# Altium PCB MiniPC.PcbDoc (part 10 of 23) (continued)
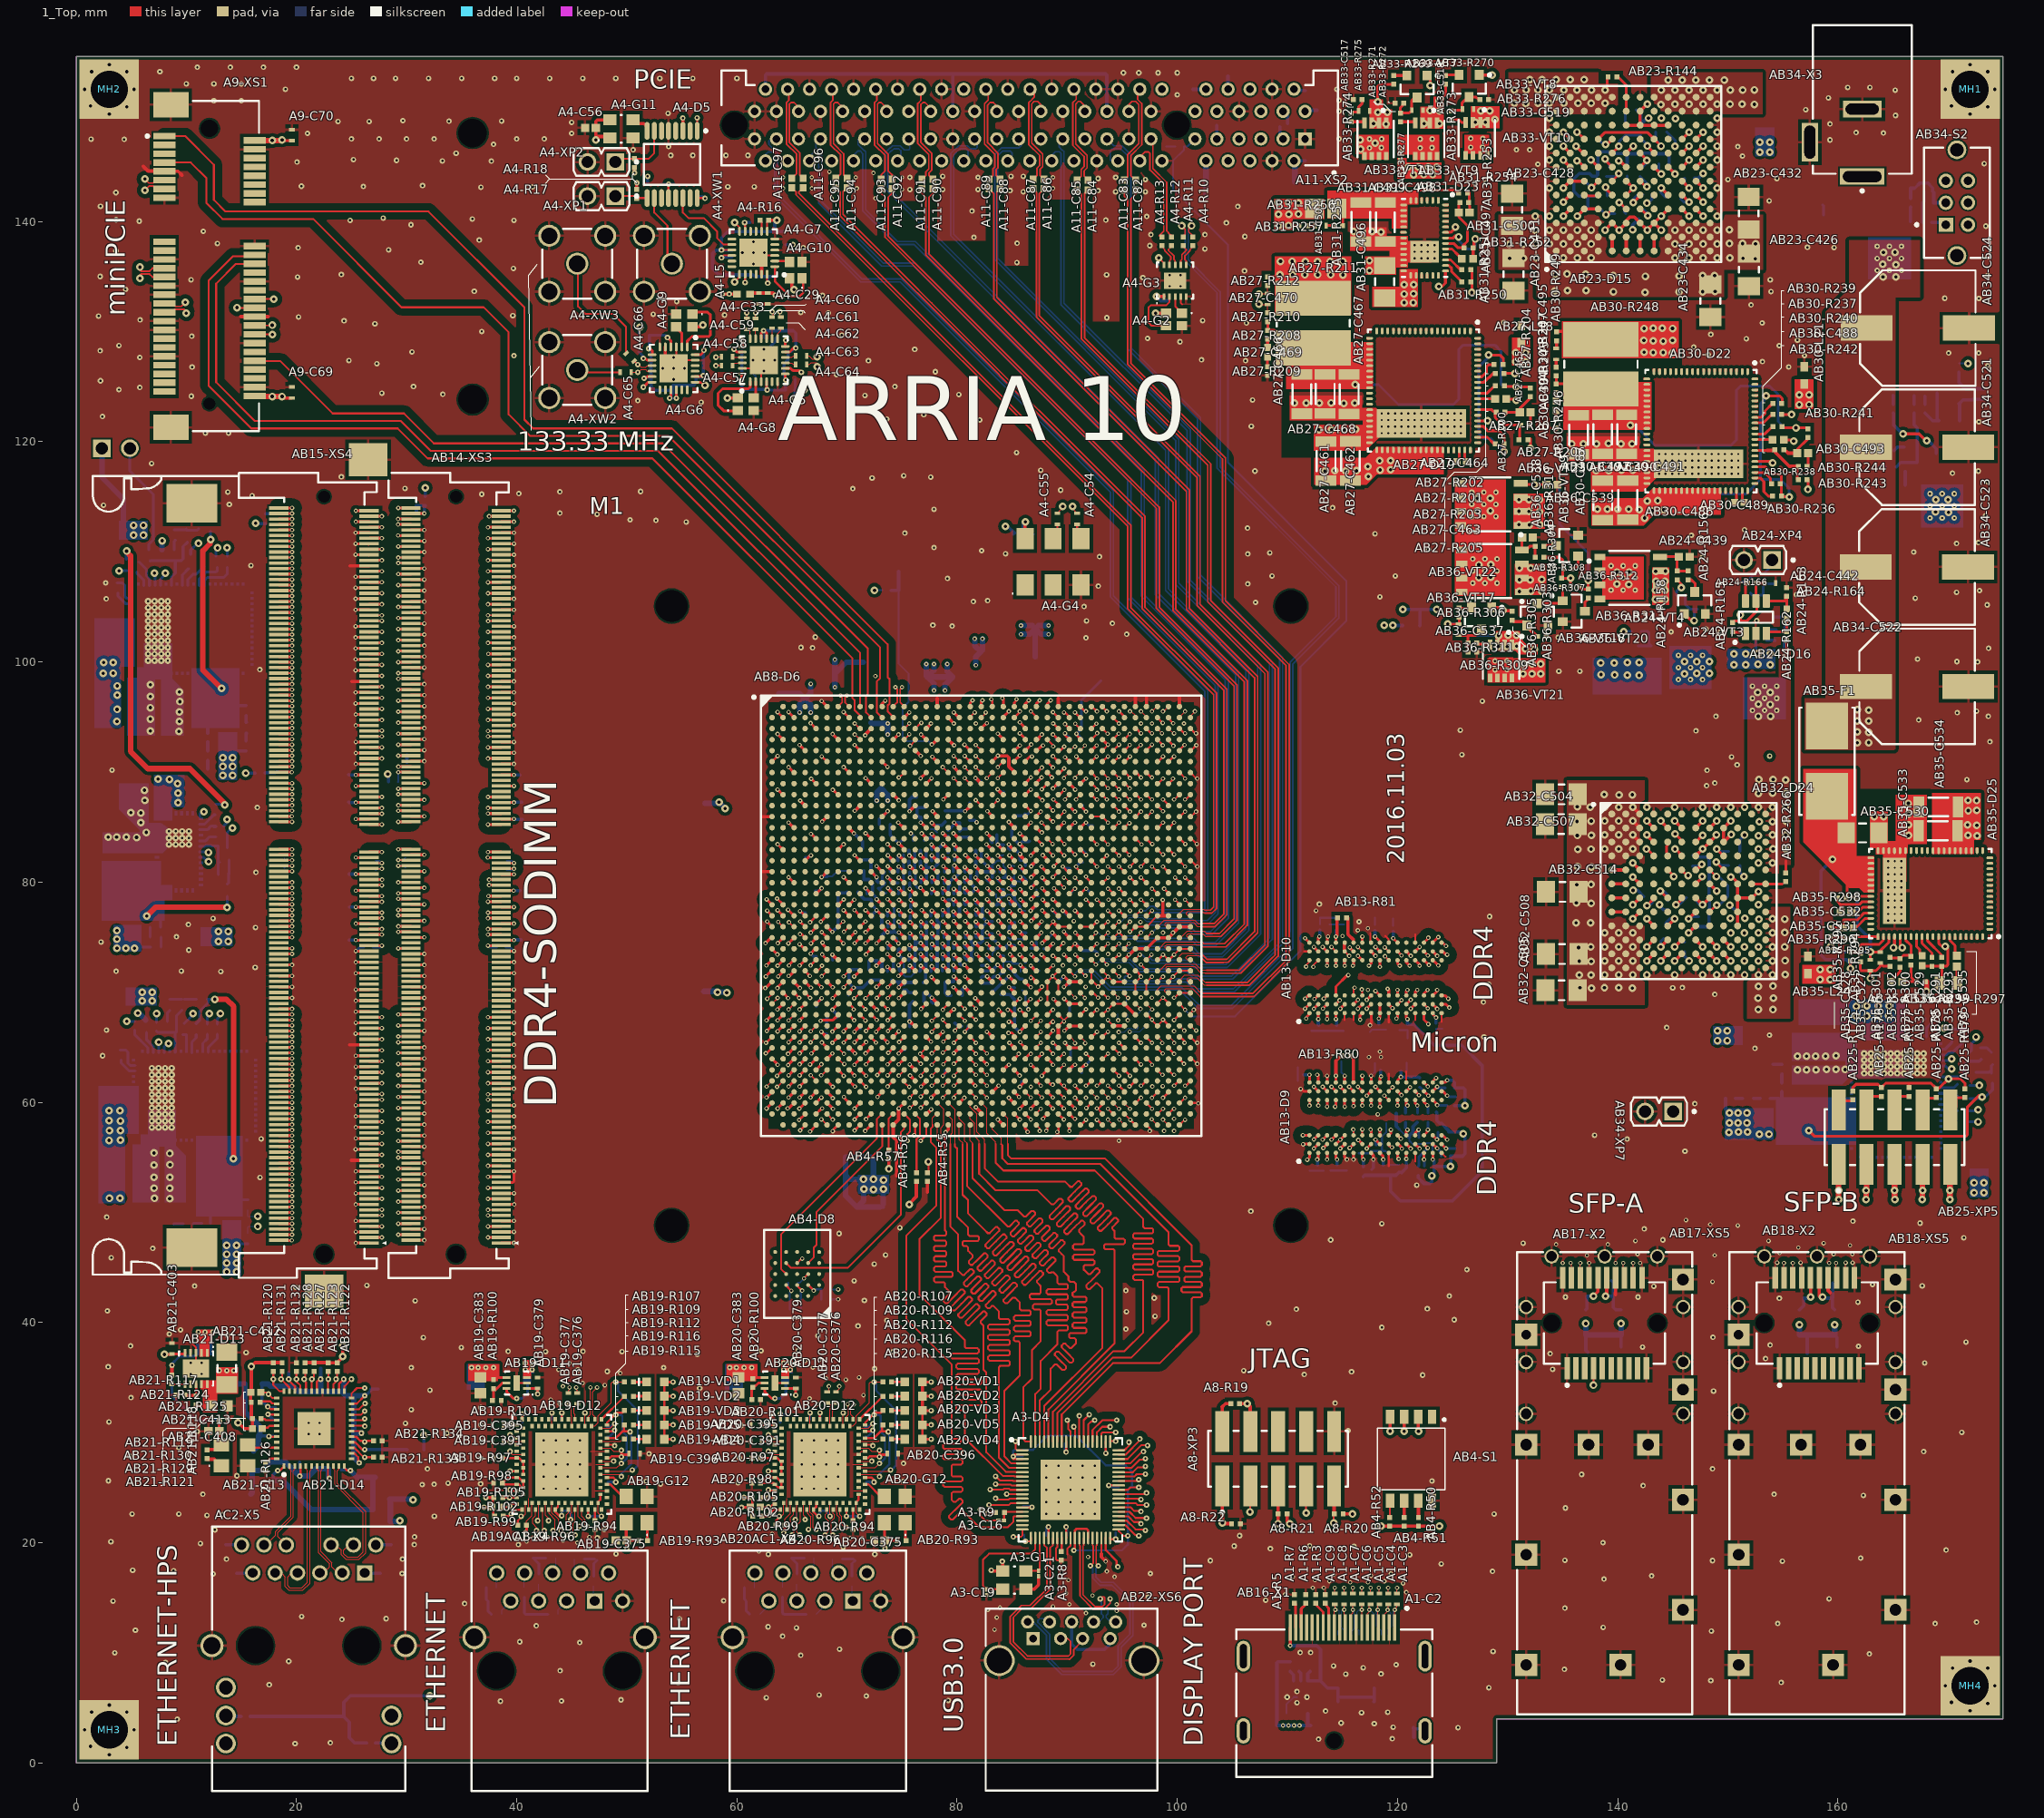
[diagram p0: 1_Top view]
## Nets (pads, with @x,y where several pads share a name; then routed paths per layer and width w, separated by ;. In a path a pad name is that pad's centre, name@x,y a point inside that pad or via, vN(x,y) a via of type N, cw(c..) or ccw(c..) an arc to the next point about the centre after c; other vN are vias at no path point) (continued)
DDR4_BLK1.DL1.DQ6: AB8-D6.AN6 AB14-XS3.16 AB15-XS4.16 | length 87
  1_Top w0.25: AB15-XS4.16@18.4,50.975 v1(19.602,50.975) ; v1(29.25,50.975) AB14-XS3.16@30.4,50.975 ; AB8-D6.AN6@68.194,63.939 68.194,63.944 v1(68.675,64.425)
  7_int6_(sign) w0.15: v1(29.25,50.975) 29.275,51 29.775,51 29.975,50.8 29.975,50.425 30.15,50.25 30.575,50.25 30.725,50.4 30.725,50.85 30.875,51 32.175,51 32.375,50.8 32.375,49.85 32.5,49.725 33.05,49.725 33.2,49.875 33.2,50.5 33.3,50.6 33.8,50.6 33.925,50.475 33.925,49.85 34.075,49.7 34.525,49.7 34.625,49.8 34.625,50.5 34.725,50.6 35.225,50.6 35.35,50.475 35.35,49.85 35.475,49.725 36.3,49.725 36.45,49.875 36.45,50.725 36.825,51.1 36.825,52.525 37.025,52.725 39.38,52.725 40.125,51.98 40.125,51.725 44.395,47.455 45.45,47.455 45.6,47.305 45.6,46.305 45.75,46.155 46.05,46.155 46.2,46.305 46.2,47.305 46.35,47.455 46.65,47.455 46.8,47.305 46.8,46.305 46.95,46.155 47.25,46.155 47.4,46.305 47.4,47.525 47.5,47.625 47.925,47.625 48,47.55 48,46.305 48.15,46.155 48.45,46.155 48.6,46.305 48.6,47.575 48.7,47.675 49.05,47.675 49.2,47.525 49.2,46.305 49.35,46.155 49.65,46.155 49.8,46.305 49.8,47.525 49.875,47.6 50.3,47.6 50.4,47.5 50.4,46.305 50.55,46.155 50.85,46.155 51.11,46.415 52.085,46.415 52.51,45.99 55.9,45.99 58.65,48.74 59.715,48.74 63.9,52.925 63.9,57.225 65.445,58.77 66.23,58.77 66.25,58.75 66.52,58.75 67.595,59.825 67.605,59.825 68.325,60.545 68.325,61.85 68.55,62.075 68.55,62.375 68.325,62.6 68.325,62.875 68.575,63.125 68.575,63.475 68.325,63.725 68.325,64.025 68.675,64.375 v1(68.675,64.425)
  10_int9_(sign) w0.15: v1(19.602,50.975) 23.425,50.975 24.1,50.3 25.875,50.3 26.325,50.75 28.6,50.75 28.825,50.975 v1(29.25,50.975)
DDR4_BLK1.DL1.DQ7: AB8-D6.AK7 AB14-XS3.17 AB15-XS4.17 | length 88.2
  1_Top w0.25: AB15-XS4.17@26.6,51.225 v1(27.75,51.225) ; v1(37.398,51.225) AB14-XS3.17@38.6,51.225 ; v1(68.675,66.425) 69.189,66.939 AB8-D6.AK7@69.194,66.939
  7_int6_(sign) w0.15: v1(37.398,51.225) 38.05,51.225 39.425,49.85 40.385,49.85 42.675,47.56 42.675,43.4 42.95,43.125 43.275,43.125 43.575,43.125 44.025,43.125 44.175,42.975 44.175,42.075 44.325,41.925 44.625,41.925 44.775,42.075 44.775,43.125 44.775,44.065 44.925,44.215 45.225,44.215 45.375,44.065 45.375,43.125 45.375,42.075 45.525,41.925 45.825,41.925 45.975,42.075 45.975,43.125 45.975,44.102 46.125,44.252 46.425,44.252 46.575,44.102 46.575,43.125 46.575,42.075 46.725,41.925 47.025,41.925 47.175,42.075 47.175,43.125 47.175,44.04 47.325,44.19 47.625,44.19 47.775,44.04 47.775,43.125 47.775,42.075 47.925,41.925 48.225,41.925 48.375,42.075 48.375,43.125 48.375,43.626 48.525,43.776 48.825,43.776 48.975,43.626 48.975,43.125 48.975,42.946 49.125,42.796 49.425,42.796 49.575,42.946 49.575,43.125 49.575,43.626 49.725,43.776 50.025,43.776 50.175,43.626 50.175,43.125 50.175,43.09 50.325,42.94 50.625,42.94 50.775,43.09 50.775,43.125 50.775,43.626 50.925,43.776 51.225,43.776 51.375,43.626 51.375,43.125 51.525,42.975 51.825,42.975 51.975,43.125 51.975,43.626 52.125,43.776 52.425,43.776 52.575,43.626 52.575,43.125 52.575,43.078 52.725,42.928 53.025,42.928 53.175,43.078 53.222,43.125 56.25,43.125 64.92,51.795 64.92,55.545 66.35,56.975 66.805,56.975 67.025,57.195 67.025,57.28 67.82,58.075 67.83,58.075 68.05,58.295 68.05,58.305 68.545,58.8 68.8,58.8 69.325,59.325 69.325,60.65 69.525,60.85 69.525,61.025 69.325,61.225 69.325,61.475 69.55,61.7 69.55,61.95 69.325,62.175 69.325,62.575 69.575,62.825 69.575,63.075 69.325,63.325 69.325,65.28 68.675,65.93 v1(68.675,66.425)
  12_int11_(sign) w0.15: v1(27.75,51.225) 28.375,50.6 29.7,50.6 30.075,50.975 32.15,50.975 32.4,51.225 v1(37.398,51.225)
DDR4_BLK1.DL1.DQS0_N: AB8-D6.AM7 AB14-XS3.11 AB15-XS4.11 | length 87.8
  1_Top w0.15: AB15-XS4.11@26.6,49.725 v1(27.75,49.725) ; v1(37.398,49.725) AB14-XS3.11@38.6,49.725 ; AB8-D6.AM7@69.194,64.939 69.194,64.931 v1(69.725,64.4)
  7_int6_(sign) w0.13: v1(37.398,49.725) 37.525,49.725 37.675,49.875 37.951,49.875 39.216,48.61 40.126,48.61 40.885,47.851 40.885,47.601 41.251,47.235 41.64,47.235 41.9,46.975 41.9,46.725 41.725,46.55 41.136,46.55 40.885,46.299 40.885,45.626 41.176,45.335 41.64,45.335 41.81,45.165 41.81,44.799 41.611,44.6 41.086,44.6 40.885,44.399 40.885,40.876 41.151,40.61 41.701,40.61 41.835,40.61 42.1,40.875 42.1,42.1 42.235,42.235 42.651,42.235 42.785,42.101 42.785,40.851 43.026,40.61 49.449,40.61 49.765,40.926 49.765,42.09 49.875,42.2 50.225,42.2 50.325,42.1 50.325,40.85 50.565,40.61 51.224,40.61 51.465,40.851 51.465,42.14 51.56,42.235 52.05,42.235 52.125,42.16 52.125,40.836 52.351,40.61 52.974,40.61 53.265,40.901 53.265,42.165 53.335,42.235 53.975,42.235 54.125,42.085 54.125,40.811 54.326,40.61 55.074,40.61 55.39,40.926 55.39,42.05 55.515,42.175 56.075,42.175 56.187,42.063 56.187,40.949 56.451,40.685 57.324,40.685 57.55,40.911 57.55,43.225 65.94,51.615 65.94,55.176 68.584,57.82 69.159,57.82 70.265,58.926 70.265,59.776 70.54,60.051 70.54,60.899 70.315,61.125 70.315,62.269 70.31,62.274 70.31,62.576 70.315,62.581 70.315,63.244 70.31,63.249 70.31,63.551 70.315,63.556 70.315,63.576 70.34,63.602 70.34,63.867 70.149,64.057 69.9,64.057 69.725,64.233 v1(69.725,64.4)
  12_int11_(sign) w0.13: v1(27.75,49.725) 27.875,49.85 28.3,49.85 28.81,49.34 30.156,49.34 30.656,49.84 37.283,49.84 v1(37.398,49.725)
DDR4_BLK1.DL1.DQS0_P: AB8-D6.AN7 AB14-XS3.13 AB15-XS4.13 | length 87.6
  1_Top w0.15: AB15-XS4.13@26.6,50.225 26.65,50.175 26.727,50.252 v1(27.751,50.252) ; v1(37.398,50.225) AB14-XS3.13@38.6,50.225 ; AB8-D6.AN7@69.194,63.939 69.194,63.944 69.663,63.475 v1(69.75,63.475)
  7_int6_(sign) w0.13: v1(37.398,50.225) 37.55,50.225 37.66,50.115 38.05,50.115 39.315,48.85 40.225,48.85 41.125,47.95 41.125,47.7 41.35,47.475 41.739,47.475 42.14,47.074 42.14,46.626 41.824,46.31 41.235,46.31 41.125,46.2 41.125,45.725 41.275,45.575 41.739,45.575 42.05,45.264 42.05,44.7 41.7,44.35 41.176,44.35 41.125,44.299 41.125,40.975 41.25,40.85 41.736,40.85 41.86,40.974 41.86,42.199 42.136,42.475 42.75,42.475 43.025,42.2 43.025,40.95 43.125,40.85 49.35,40.85 49.525,41.025 49.525,42.189 49.776,42.44 50.324,42.44 50.565,42.199 50.565,40.949 50.664,40.85 51.125,40.85 51.225,40.95 51.225,42.239 51.461,42.475 52.149,42.475 52.365,42.259 52.365,40.935 52.45,40.85 52.875,40.85 53.025,41 53.025,42.264 53.236,42.475 54.074,42.475 54.365,42.184 54.365,40.91 54.425,40.85 54.975,40.85 55.15,41.025 55.15,42.149 55.416,42.415 56.174,42.415 56.427,42.162 56.427,41.048 56.55,40.925 57.225,40.925 57.31,41.01 57.31,43.324 65.7,51.714 65.7,51.95 65.475,52.175 65.475,52.525 65.7,52.75 65.7,53.25 65.475,53.475 65.475,53.725 65.7,53.95 65.7,54.4 65.45,54.65 65.45,54.85 65.7,55.1 65.7,55.275 68.485,58.06 69.06,58.06 70.025,59.025 70.025,59.875 70.3,60.15 70.3,60.8 70.075,61.025 70.075,62.17 70.07,62.174 70.07,62.676 70.075,62.68 70.075,63.145 70.07,63.149 70.07,63.651 70.075,63.655 70.075,63.676 70.1,63.701 70.1,63.768 70.05,63.818 69.892,63.818 69.75,63.675 v1(69.75,63.475)
  12_int11_(sign) w0.13: v1(27.751,50.252) 27.904,50.1 27.905,50.1 27.915,50.09 28.399,50.09 28.909,49.58 30.056,49.58 30.586,50.11 37.283,50.11 v1(37.398,50.225)
DDR4_BLK1.DL2.DM1: AB8-D6.AW4 AB14-XS3.33 AB15-XS4.33 | length 80.7
  1_Top w0.25: AB15-XS4.33@26.6,55.225 v1(27.75,55.225) ; v1(37.398,55.225) AB14-XS3.33@38.6,55.225 ; v1(65.75,57.45) 66.194,57.894 AB8-D6.AW4@66.194,57.939
  5_int4_(sign) w0.15: v1(37.398,55.225) 39.025,53.598 39.025,49.225 39.325,48.925 39.325,45.675 39.945,45.055 40.225,45.055 40.375,45.055 40.525,45.205 40.525,45.811 40.675,45.961 40.975,45.961 41.125,45.811 41.125,45.055 41.125,44.069 41.275,43.919 41.575,43.919 41.725,44.069 41.725,45.055 41.725,45.101 41.875,45.251 42.175,45.251 42.325,45.101 42.325,45.055 42.325,44.069 42.475,43.919 42.775,43.919 42.925,44.069 42.925,45.055 42.925,45.101 43.075,45.251 43.375,45.251 43.525,45.101 43.525,45.055 43.525,44.069 43.675,43.919 43.975,43.919 44.125,44.069 44.125,45.055 44.125,45.101 44.275,45.251 44.575,45.251 44.725,45.101 44.725,45.055 44.725,44.069 44.875,43.919 45.175,43.919 45.325,44.069 45.325,45.055 45.325,45.101 45.475,45.251 45.775,45.251 45.925,45.101 45.925,45.055 45.925,44.069 46.075,43.919 46.375,43.919 46.525,44.069 46.525,45.055 46.525,45.101 46.675,45.251 46.975,45.251 47.125,45.101 47.125,45.055 47.125,44.069 47.275,43.919 47.575,43.919 47.725,44.069 47.725,45.055 47.725,45.101 47.875,45.251 48.175,45.251 48.325,45.101 48.325,45.055 48.325,44.069 48.475,43.919 48.775,43.919 48.925,44.069 48.925,45.055 48.925,45.101 49.075,45.251 49.375,45.251 49.525,45.101 49.525,45.055 49.525,44.069 49.675,43.919 49.975,43.919 50.125,44.069 50.125,45.055 50.125,46.041 50.275,46.191 50.575,46.191 50.725,46.041 50.725,45.055 50.725,44.069 50.875,43.919 51.175,43.919 51.325,44.069 51.325,44.905 51.475,45.055 53.6,45.055 55.697,45.055 58.212,47.57 58.212,48.637 61.4,51.825 61.4,52.4 65.75,56.75 v1(65.75,57.45)
  12_int11_(sign) w0.15: v1(27.75,55.225) 28.375,54.6 30.85,54.6 31.275,55.025 34.5,55.025 34.7,55.225 v1(37.398,55.225)
DDR4_BLK1.DL2.DQ8: AB8-D6.AU6 AB14-XS3.28 AB15-XS4.28 | length 83.2
  1_Top w0.25: AB15-XS4.28@18.4,53.975 v1(19.602,53.975) ; v1(29.25,53.975) AB14-XS3.28@30.4,53.975 ; AB8-D6.AU6@68.194,59.939 68.194,59.931 v1(68.725,59.4)
  5_int4_(sign) w0.15: v1(29.25,53.975) 29.3,53.975 30.3,52.975 32.25,52.975 32.625,52.6 35.6,52.6 35.975,52.225 35.975,52.025 35.825,51.875 34.739,51.875 34.589,51.725 34.589,51.425 34.739,51.275 35.975,51.275 36.125,51.125 36.125,50.825 35.975,50.675 34.739,50.675 34.589,50.525 34.589,50.225 34.739,50.075 35.825,50.075 35.975,49.925 35.975,49.775 35.975,48.618 37.034,47.559 37.034,41.816 38.375,40.475 49.775,40.475 50.025,40.475 50.1,40.4 50.55,40.4 50.625,40.475 50.625,41.29 50.775,41.44 51.075,41.44 51.225,41.29 51.225,40.475 51.3,40.4 51.75,40.4 51.825,40.475 51.825,41.29 51.975,41.44 52.275,41.44 52.425,41.29 52.425,40.625 52.575,40.475 53.025,40.475 53.325,40.475 53.475,40.475 60.325,47.325 60.325,47.925 69.458,57.058 69.458,58.734 68.793,59.4 v1(68.725,59.4)
  10_int9_(sign) w0.15: v1(19.602,53.975) 23.45,53.975 24.175,53.25 25.85,53.25 26.325,53.725 28.975,53.725 29.225,53.975 v1(29.25,53.975)
DDR4_BLK1.DL2.DQ9: AB8-D6.AW5 AB14-XS3.29 AB15-XS4.29 | length 80.9
  1_Top w0.25: AB15-XS4.29@26.6,54.225 v1(27.75,54.225) ; v1(37.398,54.225) AB14-XS3.29@38.6,54.225 ; v1(66.65,57.35) 67.194,57.894 AB8-D6.AW5@67.194,57.939
  5_int4_(sign) w0.15: v1(37.398,54.225) 38.15,53.473 38.15,48.875 38.612,48.413 38.612,43.838 39.15,43.3 39.5,43.3 39.65,43.3 39.8,43.45 39.8,44.296 39.95,44.446 40.25,44.446 40.4,44.296 40.4,43.3 40.4,42.664 40.55,42.514 40.85,42.514 41,42.664 41,43.3 41.109,43.409 41.491,43.409 41.6,43.3 41.6,42.664 41.75,42.514 42.05,42.514 42.2,42.664 42.2,43.3 42.309,43.409 42.691,43.409 42.8,43.3 42.8,42.664 42.95,42.514 43.25,42.514 43.4,42.664 43.4,43.3 43.509,43.409 43.891,43.409 44,43.3 44,42.664 44.15,42.514 44.45,42.514 44.6,42.664 44.6,43.3 44.709,43.409 45.091,43.409 45.2,43.3 45.2,42.664 45.35,42.514 45.65,42.514 45.8,42.664 45.8,43.3 45.909,43.409 46.291,43.409 46.4,43.3 46.4,42.664 46.55,42.514 46.85,42.514 47,42.664 47,43.3 47.109,43.409 47.491,43.409 47.6,43.3 47.6,42.664 47.75,42.514 48.05,42.514 48.2,42.664 48.2,43.3 48.309,43.409 48.691,43.409 48.8,43.3 48.8,42.664 48.95,42.514 49.25,42.514 49.4,42.664 49.4,43.3 49.509,43.409 49.891,43.409 50,43.3 50,42.664 50.15,42.514 50.45,42.514 50.6,42.664 50.6,43.3 50.709,43.409 51.091,43.409 51.2,43.3 51.2,42.664 51.35,42.514 51.65,42.514 51.8,42.664 51.8,43.3 51.8,43.829 51.95,43.979 52.25,43.979 52.4,43.829 52.4,43.3 52.4,42.664 52.55,42.514 52.85,42.514 53,42.664 53,43.3 53,44.296 53.15,44.446 53.45,44.446 53.6,44.296 53.6,43.45 53.75,43.3 53.8,43.3 54.664,43.3 58.722,47.359 58.722,48.426 66.65,56.354 v1(66.65,57.35)
  12_int11_(sign) w0.15: v1(27.75,54.225) 28.375,53.6 29.6,53.6 29.975,53.975 32.025,53.975 32.275,54.225 v1(37.398,54.225)
DDR4_BLK1.DL2.DQ10: AB8-D6.AU4 AB14-XS3.41 AB15-XS4.41 | length 81.3
  1_Top w0.25: AB15-XS4.41@26.6,57.225 v1(27.75,57.225) ; v1(37.398,57.225) AB14-XS3.41@38.6,57.225 ; v1(65.675,59.425) 65.68,59.425 AB8-D6.AU4@66.194,59.939
  5_int4_(sign) w0.15: v1(37.398,57.225) 39.348,55.275 39.975,55.275 40.75,54.5 40.75,52.4 40.75,52.15 40.75,52 40.9,51.85 41.793,51.85 41.943,51.7 41.943,51.4 41.793,51.25 40.9,51.25 40.75,51.1 40.75,50.775 40.75,49.725 41.325,49.15 41.575,49.15 41.725,49.15 41.875,49.3 41.875,49.479 42.025,49.629 42.325,49.629 42.475,49.479 42.475,49.15 42.475,48.04 42.625,47.89 42.925,47.89 43.075,48.04 43.075,49.15 43.2,49.275 43.55,49.275 43.675,49.15 43.675,47.9 43.825,47.75 44.125,47.75 44.275,47.9 44.275,49.15 44.275,49.233 44.425,49.383 44.725,49.383 44.875,49.233 44.875,49.15 44.875,47.9 45.025,47.75 45.325,47.75 45.475,47.9 45.475,49.15 45.6,49.275 45.95,49.275 46.075,49.15 46.075,47.9 46.225,47.75 46.525,47.75 46.675,47.9 46.675,49.15 46.8,49.275 47.15,49.275 47.275,49.15 47.275,47.9 47.425,47.75 47.725,47.75 47.875,47.9 47.875,49.15 48,49.275 48.35,49.275 48.475,49.15 48.475,47.9 48.625,47.75 48.925,47.75 49.075,47.9 49.075,49.15 49.2,49.275 49.55,49.275 49.675,49.15 49.675,47.9 49.825,47.75 50.125,47.75 50.275,47.9 50.275,49 50.425,49.15 50.875,49.15 51.1,49.15 51.375,48.875 51.375,47.825 51.375,47.175 52.475,46.075 55.275,46.075 56.975,47.775 56.975,50.425 57.362,50.812 57.542,50.992 57.542,51.058 57.542,51.27 57.754,51.482 57.966,51.482 57.999,51.449 58.246,51.201 58.459,51.201 58.671,51.414 58.671,51.626 58.423,51.873 58.39,51.906 58.39,52.118 58.602,52.33 58.815,52.33 58.847,52.297 59.095,52.05 59.307,52.05 59.519,52.262 59.519,52.474 59.272,52.722 59.239,52.755 59.239,52.967 59.451,53.179 59.663,53.179 59.729,53.179 60.1,53.55 61.037,54.487 61.25,54.7 61.568,55.018 61.78,55.018 61.806,54.992 62.018,54.992 62.23,55.204 62.23,55.416 62.204,55.442 62.204,55.654 62.412,55.862 65.7,59.15 65.7,59.4 v1(65.675,59.425)
  12_int11_(sign) w0.15: v1(27.75,57.225) 27.875,57.1 29.4,57.1 29.9,56.6 31.975,56.6 32.6,57.225 v1(37.398,57.225)
DDR4_BLK1.DL2.DQ11: AB8-D6.AT5 AB14-XS3.42 AB15-XS4.42 | length 83.3
  1_Top w0.25: AB15-XS4.42@18.4,57.475 v1(19.602,57.475) ; v1(29.25,57.475) AB14-XS3.42@30.4,57.475 ; v1(66.694,60.439) AB8-D6.AT5@67.194,60.939
  5_int4_(sign) w0.15: v1(29.25,57.475) 29.625,57.475 29.775,57.625 29.775,59.8 29.925,59.95 30.325,59.95 30.525,59.75 30.525,57.75 30.75,57.525 30.975,57.525 31.2,57.75 31.2,59.275 31.425,59.5 31.825,59.5 32.025,59.7 32.2,59.7 32.375,59.525 32.375,57.725 32.575,57.525 32.875,57.525 33.05,57.7 33.05,59.575 33.175,59.7 33.775,59.7 33.875,59.6 33.875,57.925 34.025,57.775 34.525,57.775 34.7,57.95 34.7,59.55 34.85,59.7 38.175,59.7 39.675,58.2 40.45,58.2 42.69,55.96 42.69,53.96 43.025,53.625 43.95,53.625 44.1,53.475 44.1,52.603 44.25,52.453 44.55,52.453 44.7,52.603 44.7,53.625 44.8,53.725 45.2,53.725 45.3,53.625 45.3,52.603 45.45,52.453 45.75,52.453 45.9,52.603 45.9,53.625 46,53.725 46.4,53.725 46.5,53.625 46.5,52.603 46.65,52.453 46.95,52.453 47.1,52.603 47.1,53.625 47.2,53.725 47.6,53.725 47.7,53.625 47.7,52.603 47.85,52.453 48.15,52.453 48.3,52.603 48.3,53.625 48.4,53.725 48.8,53.725 48.9,53.625 48.9,52.603 49.05,52.453 49.35,52.453 49.5,52.603 49.5,53.475 49.65,53.625 56.375,53.625 62.2,59.45 62.2,60.639 62.5,60.939 66.511,60.939 66.694,60.756 v1(66.694,60.439)
  10_int9_(sign) w0.15: v1(19.602,57.475) 20.6,57.475 20.85,57.225 25.925,57.225 26.4,56.75 28.4,56.75 29.125,57.475 v1(29.25,57.475)
DDR4_BLK1.DL2.DQ12: AB8-D6.AR6 AB14-XS3.24 AB15-XS4.24 | length 85.3
  1_Top w0.25: AB15-XS4.24@18.4,52.975 v1(19.602,52.975) ; v1(29.25,52.975) AB14-XS3.24@30.4,52.975 ; AB8-D6.AR6@68.194,61.939 68.194,61.931 68.7,61.425 v1(68.7,61.4)
  5_int4_(sign) w0.15: v1(29.25,52.975) 29.95,52.275 30.7,52.275 31,51.975 32.775,51.975 33.112,51.637 33.112,51.4 33.112,50.962 32.962,50.812 32.425,50.812 32.275,50.662 32.275,50.362 32.425,50.212 33.112,50.212 33.775,50.212 33.925,50.062 33.925,49.762 33.775,49.612 33.112,49.612 32.425,49.612 32.275,49.462 32.275,49.163 32.425,49.013 32.962,49.013 33.112,48.863 33.112,48.713 33.775,48.05 35.3,48.05 36.25,47.1 36.25,43.9 36.25,43.724 36.374,43.6 36.524,43.45 36.524,43.15 36.374,43 36.25,43 34.702,43 34.552,42.85 34.552,42.55 34.702,42.4 36.1,42.4 36.25,42.25 36.25,41 36.25,40.875 37.235,39.89 53.611,39.89 61.062,47.341 61.062,47.813 70.2,56.95 70.2,59.475 69.585,60.09 69.58,60.09 68.7,60.97 v1(68.7,61.4)
  10_int9_(sign) w0.15: v1(19.602,52.975) 23.35,52.975 24.15,52.175 25.775,52.175 26.35,52.75 28.225,52.75 28.45,52.975 v1(29.25,52.975)
DDR4_BLK1.DL2.DQ13: AB8-D6.AU5 AB14-XS3.25 AB15-XS4.25 | length 82.9
  1_Top w0.25: AB15-XS4.25@26.6,53.225 v1(27.75,53.225) ; v1(37.398,53.225) AB14-XS3.25@38.6,53.225 ; AB8-D6.AU5@67.194,59.939 67.194,59.944 v1(67.675,60.425)
  5_int4_(sign) w0.15: v1(37.398,53.225) 37.023,52.85 37.023,48.377 37.175,48.225 37.428,48.225 37.975,47.678 37.975,42.35 38.375,41.95 38.675,41.95 39.125,41.95 39.275,41.8 39.275,41.141 39.425,40.991 39.725,40.991 39.875,41.141 39.875,41.95 39.952,42.027 40.398,42.027 40.475,41.95 40.475,41.141 40.625,40.991 40.925,40.991 41.075,41.141 41.075,41.95 41.152,42.027 41.598,42.027 41.675,41.95 41.675,41.141 41.825,40.991 42.125,40.991 42.275,41.141 42.275,41.95 42.352,42.027 42.798,42.027 42.875,41.95 42.875,41.141 43.025,40.991 43.325,40.991 43.475,41.141 43.475,41.95 43.552,42.027 43.998,42.027 44.075,41.95 44.075,41.141 44.225,40.991 44.525,40.991 44.675,41.141 44.675,41.95 44.752,42.027 45.198,42.027 45.275,41.95 45.275,41.141 45.425,40.991 45.725,40.991 45.875,41.141 45.875,41.95 45.952,42.027 46.398,42.027 46.475,41.95 46.475,41.141 46.625,40.991 46.925,40.991 47.075,41.141 47.075,41.95 47.152,42.027 47.598,42.027 47.675,41.95 47.675,41.141 47.825,40.991 48.125,40.991 48.275,41.141 48.275,41.95 48.352,42.027 48.798,42.027 48.875,41.95 48.875,41.141 49.025,40.991 49.325,40.991 49.475,41.141 49.475,41.8 49.625,41.95 53.875,41.95 54.035,41.95 59.525,47.44 59.525,48 68.525,57 68.855,57 69.075,57.22 69.075,58.675 68.85,58.9 68.5,58.9 68.225,59.175 68.225,60.125 67.925,60.425 v1(67.675,60.425)
  12_int11_(sign) w0.15: v1(27.75,53.225) 28.375,52.6 29.625,52.6 30,52.975 31.925,52.975 32.175,53.225 v1(37.398,53.225)
DDR4_BLK1.DL2.DQ14: AB8-D6.AT4 AB14-XS3.38 AB15-XS4.38 | length 83.3
  1_Top w0.25: AB15-XS4.38@18.4,56.475 v1(19.602,56.475) ; v1(29.25,56.475) AB14-XS3.38@30.4,56.475 ; v1(65.694,60.439) AB8-D6.AT4@66.194,60.939
  5_int4_(sign) w0.15: v1(29.25,56.475) 29.275,56.45 29.625,56.45 29.8,56.275 29.8,56.05 29.85,56 30.225,56 30.425,56.2 30.425,56.8 30.6,56.975 30.925,56.975 31.025,56.875 31.025,56.55 31.125,56.45 32,56.45 32.575,57.025 33.65,57.025 33.85,56.825 34.05,56.825 34.25,57.025 34.55,57.025 34.8,57.275 35.8,57.275 35.875,57.35 35.875,57.875 35.8,57.95 35.325,57.95 35.225,58.05 35.225,58.4 35.325,58.5 36.025,58.5 36.15,58.625 36.15,59.05 36.275,59.175 36.675,59.175 36.8,59.05 36.8,58.825 36.925,58.7 38.275,58.7 38.375,58.6 38.375,58.325 38.6,58.1 38.975,58.1 39.1,57.975 39.1,57.6 39.5,57.2 40.55,57.2 42.18,55.57 42.18,53.57 42.775,52.975 43.2,52.975 43.525,52.65 43.525,52.225 43.85,51.9 44.925,51.9 45.15,51.675 45.45,51.675 45.675,51.9 46.7,51.9 46.925,51.675 47.225,51.675 47.45,51.9 47.9,51.9 48.05,51.75 48.05,50.665 48.2,50.515 48.5,50.515 48.65,50.665 48.65,51.75 48.8,51.9 49.1,51.9 49.25,51.75 49.25,50.665 49.4,50.515 49.7,50.515 49.85,50.665 49.85,51.9 49.85,52.232 50,52.382 50.3,52.382 50.45,52.232 50.45,51.9 50.45,50.665 50.6,50.515 50.9,50.515 51.05,50.665 51.05,51.9 51.05,52.965 51.2,53.115 51.5,53.115 51.65,52.965 51.65,52.05 51.8,51.9 51.875,51.9 52.175,51.9 52.838,52.563 52.925,52.563 53.225,52.563 53.675,52.563 53.825,52.413 53.825,52.312 53.975,52.162 54.275,52.162 54.425,52.312 54.425,52.563 54.425,52.965 54.575,53.115 54.875,53.115 55.025,52.965 55.025,52.563 55.025,52.312 55.175,52.162 55.475,52.162 55.625,52.312 55.625,52.413 55.775,52.563 56.225,52.563 56.563,52.563 56.775,52.775 56.862,52.863 57.05,53.05 57.156,53.156 57.156,53.368 57.104,53.42 57.104,53.633 57.316,53.845 57.528,53.845 57.686,53.686 57.84,53.533 58.052,53.533 58.264,53.745 58.264,53.957 58.111,54.111 57.952,54.269 57.952,54.481 58.164,54.693 58.377,54.693 58.535,54.535 58.688,54.382 58.9,54.382 59.112,54.594 59.112,54.806 58.959,54.959 58.801,55.118 58.801,55.33 59.013,55.542 59.225,55.542 59.383,55.383 59.537,55.23 59.749,55.23 59.961,55.442 59.961,55.655 59.808,55.808 59.649,55.966 59.649,56.178 59.861,56.39 60.074,56.39 60.232,56.232 60.385,56.079 60.597,56.079 60.809,56.291 60.809,56.503 60.656,56.656 60.498,56.815 60.498,57.027 60.71,57.239 60.922,57.239 61.081,57.081 61.234,56.927 61.446,56.927 61.658,57.139 61.658,57.352 61.505,57.505 61.346,57.663 61.346,57.875 61.559,58.087 61.771,58.087 61.823,58.035 62.035,58.035 62.125,58.125 62.288,58.288 62.425,58.288 62.5,58.362 62.5,58.75 62.6,58.85 62.85,58.85 63.25,59.25 63.25,60.225 63.45,60.425 63.975,60.425 64.125,60.275 64.125,60.05 64.225,59.95 64.8,59.95 65.289,60.439 v1(65.694,60.439)
  10_int9_(sign) w0.15: v1(19.602,56.475) 20.575,56.475 20.8,56.25 25.925,56.25 26.4,55.775 28.325,55.775 29.025,56.475 v1(29.25,56.475)
DDR4_BLK1.DL2.DQ15: AB8-D6.AV4 AB14-XS3.37 AB15-XS4.37 | length 81.2
  1_Top w0.25: AB15-XS4.37@26.6,56.225 v1(27.75,56.225) ; v1(37.398,56.225) AB14-XS3.37@38.6,56.225 ; v1(65.65,58.395) AB8-D6.AV4@66.194,58.939
  5_int4_(sign) w0.15: v1(37.398,56.225) 37.425,56.225 39.425,54.225 39.875,54.225 40.225,53.875 40.225,47.225 40.425,47.025 40.725,47.025 40.875,47.025 41.025,47.175 41.025,48.075 41.175,48.225 41.475,48.225 41.625,48.075 41.625,47.025 41.625,45.975 41.775,45.825 42.075,45.825 42.225,45.975 42.225,47.025 42.225,47.23 42.375,47.38 42.675,47.38 42.825,47.23 42.825,47.025 42.825,45.975 42.975,45.825 43.275,45.825 43.425,45.975 43.425,47.025 43.425,47.09 43.575,47.24 43.875,47.24 44.025,47.09 44.025,47.025 44.025,45.975 44.175,45.825 44.475,45.825 44.625,45.975 44.625,47.025 44.625,47.09 44.775,47.24 45.075,47.24 45.225,47.09 45.225,47.025 45.225,45.975 45.375,45.825 45.675,45.825 45.825,45.975 45.825,47.025 45.825,47.09 45.975,47.24 46.275,47.24 46.425,47.09 46.425,47.025 46.425,45.975 46.575,45.825 46.875,45.825 47.025,45.975 47.025,47.025 47.025,47.09 47.175,47.24 47.475,47.24 47.625,47.09 47.625,47.025 47.625,45.975 47.775,45.825 48.075,45.825 48.225,45.975 48.225,47.025 48.225,47.09 48.375,47.24 48.675,47.24 48.825,47.09 48.825,47.025 48.825,45.975 48.975,45.825 49.275,45.825 49.425,45.975 49.425,47.025 49.425,47.09 49.575,47.24 49.875,47.24 50.025,47.09 50.09,47.025 50.625,47.025 50.804,47.025 51.016,46.813 51.127,46.702 52.264,45.565 55.486,45.565 57.485,47.564 57.485,49.36 57.75,49.625 57.856,49.731 57.856,49.943 57.641,50.158 57.641,50.37 57.853,50.582 58.066,50.582 58.386,50.261 58.645,50.003 58.857,50.003 59.069,50.215 59.069,50.427 58.811,50.686 58.811,50.832 59.088,51.11 59.235,51.11 59.493,50.852 59.705,50.852 59.918,51.064 59.918,51.276 59.659,51.534 59.659,51.681 59.937,51.958 60.083,51.958 60.342,51.7 60.554,51.7 60.766,51.912 60.766,52.124 60.508,52.383 60.187,52.704 60.187,52.916 60.399,53.128 60.611,53.128 60.826,52.913 61.038,52.913 62.037,53.912 65.1,56.975 65.1,57.845 v1(65.65,58.395) v1@65.738,58.395
  12_int11_(sign) w0.15: v1(27.75,56.225) 28.65,56.225 28.9,55.975 29.8,55.975 30.175,55.6 32.025,55.6 32.65,56.225 v1(37.398,56.225)
DDR4_BLK1.DL2.DQS1_N: AB8-D6.AV6 AB14-XS3.32 AB15-XS4.32 | length 81.6
  1_Top w0.15: AB15-XS4.32@18.4,54.975 v1(19.602,54.975) ; v1(29.25,54.975) AB14-XS3.32@30.4,54.975 ; AB8-D6.AV6@68.194,58.939 68.7,58.433 v1(68.7,58.425)
  5_int4_(sign) w0.13: v1(29.25,54.975) 29.385,55.11 32.235,55.11 32.525,55.4 32.525,56 32.7,56.175 33.16,56.175 33.335,56 33.335,53.74 33.615,53.46 34.284,53.46 34.575,53.751 34.575,56.2 34.775,56.4 35.15,56.4 35.285,56.265 35.285,54.926 35.285,53.676 35.551,53.41 36.369,53.41 36.549,53.59 36.604,53.59 36.682,53.668 36.682,57.382 36.91,57.61 37.766,57.61 39.276,56.1 40.235,56.1 41.25,55.085 41.25,53.1 42.51,51.84 42.51,50.151 42.886,49.775 43.674,49.775 43.95,50.051 43.95,51.05 44.025,51.125 44.6,51.125 44.76,50.965 44.76,50.051 45.036,49.775 45.689,49.775 45.915,50.001 45.915,50.951 45.999,51.035 46.326,51.035 46.435,50.926 46.435,50.001 46.661,49.775 49.749,49.775 51.425,49.775 53.072,51.422 56.987,51.422 64.325,58.76 64.766,58.76 65.309,59.303 65.309,59.533 65.31,59.534 65.31,59.576 65.558,59.824 65.949,59.824 ; 65.949,59.825 66.439,59.825 ; 66.439,59.824 66.501,59.824 66.685,59.64 66.685,58.301 67.376,57.61 68.124,57.61 68.29,57.776 68.29,57.966 68.308,57.984 68.308,58.083 68.649,58.425 v1(68.7,58.425)
  12_int11_(sign) w0.13: v1(19.602,54.975) 19.75,55.123 19.75,55.125 25.119,55.125 25.124,55.12 26.445,55.12 26.915,55.59 28.11,55.59 28.581,55.119 29.106,55.119 v1(29.25,54.975)
DDR4_BLK1.DL2.DQS1_P: AB8-D6.AW6 AB14-XS3.34 AB15-XS4.34 | length 82.2
  1_Top w0.15: AB15-XS4.34@18.4,55.475 v1(19.602,55.475) ; v1(29.251,55.503) 30.372,55.503 AB14-XS3.34@30.4,55.475 ; v1(67.675,58.45) 67.683,58.45 AB8-D6.AW6@68.194,57.939
  5_int4_(sign) w0.13: v1(29.251,55.503) 29.251,55.474 29.375,55.35 32.136,55.35 32.285,55.499 32.285,56.099 32.601,56.415 33.259,56.415 33.575,56.099 33.575,53.839 33.714,53.7 34.185,53.7 34.335,53.85 34.335,56.299 34.676,56.64 35.249,56.64 35.525,56.364 35.525,53.775 35.65,53.65 36.269,53.65 36.442,53.823 36.442,57.482 36.811,57.85 37.865,57.85 39.375,56.34 40.334,56.34 41.49,55.184 41.49,53.199 42.75,51.939 42.75,50.25 42.985,50.015 43.575,50.015 43.71,50.15 43.71,51.149 43.926,51.365 44.699,51.365 45,51.064 45,50.15 45.135,50.015 45.59,50.015 45.675,50.1 45.675,51.05 45.9,51.275 46.425,51.275 46.675,51.025 46.675,50.1 46.76,50.015 50.456,50.015 ; 49.65,50.015 50.456,50.015 ; 65.849,60.064 65.459,60.064 65.07,59.676 65.07,59.634 65.069,59.633 65.069,59.403 64.666,59 64.226,59 56.888,51.662 52.973,51.662 51.326,50.015 50.456,50.015 ; 65.85,60.065 66.538,60.065 ; 66.539,60.064 66.6,60.064 66.925,59.739 66.925,58.4 67.475,57.85 68.025,57.85 68.05,57.875 68.05,58.225 67.75,58.525 v1(67.675,58.45)
  12_int11_(sign) w0.13: v1(19.602,55.475) 19.712,55.365 25.219,55.365 25.224,55.36 26.346,55.36 26.816,55.83 28.209,55.83 28.681,55.359 29.108,55.359 v1(29.251,55.503)
DDR4_BLK1.DL3.DM2: AB8-D6.AN4 AB14-XS3.54 AB15-XS4.54 | length 83.7
  1_Top w0.25: AB15-XS4.54@18.4,60.475 v1(19.602,60.475) ; v1(29.25,60.475) AB14-XS3.54@30.4,60.475 ; v1(65.7,63.45) 65.725,63.45 66.214,63.939 AB8-D6.AN4@66.194,63.939
  7_int6_(sign) w0.15: v1(29.25,60.475) 29.3,60.425 34.025,60.425 34.175,60.575 34.175,61.275 34.325,61.425 34.625,61.425 34.775,61.275 34.775,60.1 34.85,60.025 35.3,60.025 35.375,60.1 35.375,61.8 35.55,61.975 35.85,61.975 35.975,61.85 35.975,60.575 36.15,60.4 36.425,60.4 36.65,60.625 36.65,62.85 36.95,63.15 37.353,63.15 37.953,63.75 40.325,63.75 41.188,62.887 42.05,62.887 42.2,62.737 42.2,62.047 42.35,61.897 42.65,61.897 42.8,62.047 42.8,63.011 42.95,63.161 43.25,63.161 43.4,63.011 43.4,62.047 43.55,61.897 43.85,61.897 44,62.047 44,63.011 44.15,63.161 44.45,63.161 44.6,63.011 44.6,62.047 44.75,61.897 45.05,61.897 45.2,62.047 45.2,63.011 45.35,63.161 45.65,63.161 45.8,63.011 45.8,62.047 45.95,61.897 46.25,61.897 46.4,62.047 46.4,63.011 46.55,63.161 46.85,63.161 47,63.011 47,62.047 47.15,61.897 47.45,61.897 47.6,62.047 47.6,63.011 47.75,63.161 48.05,63.161 48.2,63.011 48.2,62.047 48.35,61.897 48.65,61.897 48.8,62.047 48.8,63.011 48.95,63.161 49.25,63.161 49.4,63.011 49.4,62.047 49.55,61.897 49.85,61.897 50,62.047 50,63.011 50.15,63.161 50.45,63.161 50.6,63.011 50.6,62.047 50.75,61.897 51.05,61.897 51.2,62.047 51.2,63.011 51.35,63.161 51.65,63.161 51.8,63.011 51.8,62.047 51.95,61.897 52.25,61.897 52.4,62.047 52.4,63.011 52.55,63.161 52.85,63.161 53,63.011 53,62.047 53.15,61.897 53.45,61.897 53.6,62.047 53.6,63.728 53.75,63.878 54.05,63.878 54.2,63.728 54.2,62.047 54.35,61.897 54.65,61.897 54.8,62.047 54.8,62.737 54.95,62.887 60.162,62.887 61.078,63.803 61.85,63.803 62.103,63.55 63.075,63.55 63.3,63.775 64.825,63.775 65.15,63.45 v1(65.7,63.45)
  10_int9_(sign) w0.15: v1(19.602,60.475) 25.6,60.475 26.275,59.8 28.35,59.8 29.025,60.475 v1(29.25,60.475)